# Altium PCB Sayma_AMC_RFSoC.PcbDoc (part 2 of 11)
Units mm, origin at the board's own origin, x right, y up, seen from the top; angles counter-clockwise.
Board outline 180.55 x 148.45 mm, 18 copper layers (Layer 1, Layer 2, Layer 3, Layer 4, Layer 5, Layer 6, Layer 7, Layer 8, Layer 9, Layer 10, Layer 11, Layer 12, Layer 13, Layer 14, Layer 15, Layer 16, Layer 17, Layer 18), stack 4.915 mm thick; 790 components, 796 nets, 6854 pads, 16 vias.
Unrouted connection lines stored in the file: 2880.
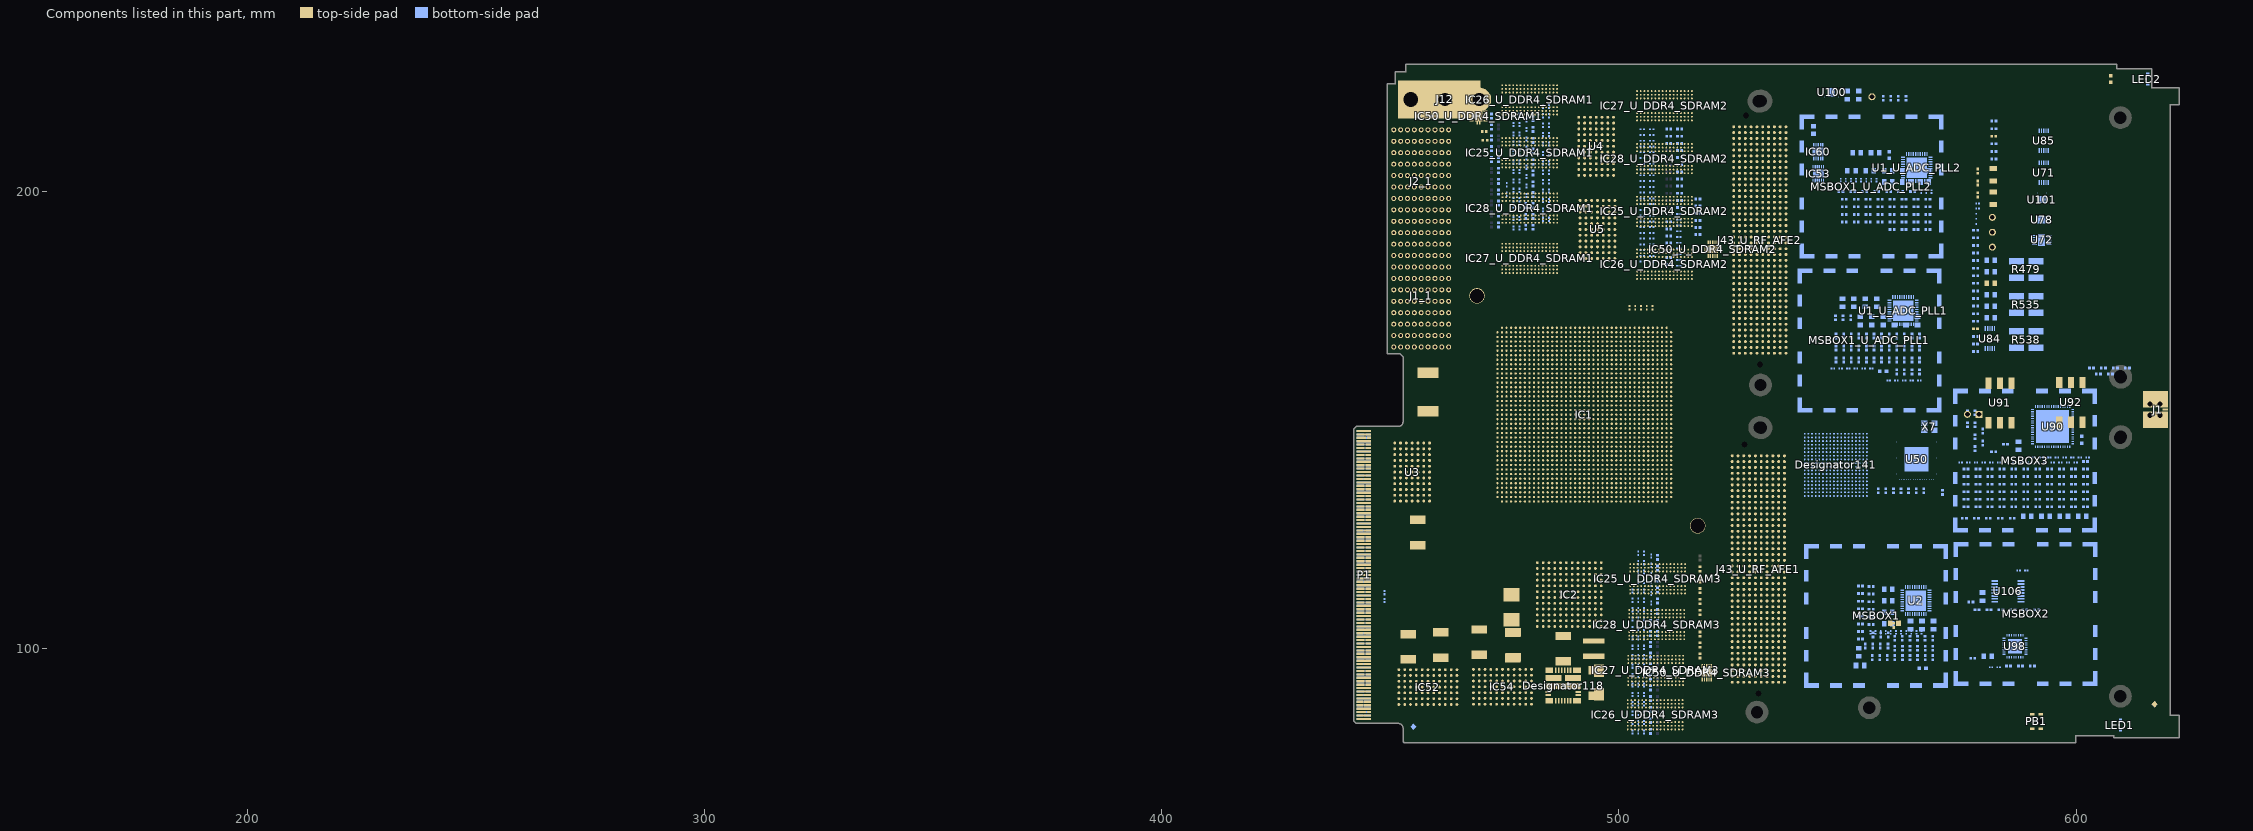
[diagram p13: the components of this part, seen from the top]

## Components (designator, comment, footprint, x,y, rotation, side; value= is the part's Value field where it differs from the comment) (continued)
C649_U_ADC_PLL1 "0.1UF" 0402 562.433,165.77 r90 bottom (schematic designator C649)
C649_U_ADC_PLL2 "0.1UF" 0402 564.246,199.973 r180 bottom (schematic designator C649)
C650_U_ADC_PLL1 "0.1UF" 0402 560.775,165.77 r90 bottom (schematic designator C650)
C650_U_ADC_PLL2 "0.1UF" 0402 561.632,199.973 r180 bottom (schematic designator C650)
C651_U_ADC_PLL1 "0.1UF" 0402 549.043,172.392 r90 bottom (schematic designator C651)
C651_U_ADC_PLL2 "0.1UF" 0402 559.018,199.973 r180 bottom (schematic designator C651)
C652_U_ADC_PLL1 "0.1UF" 0402 565.749,168.384 r90 bottom (schematic designator C652)
C652_U_ADC_PLL2 "0.1UF" 0402 556.404,199.973 r180 bottom (schematic designator C652)
C653_U_ADC_PLL1 "1UF" 0402 547.385,172.392 r90 bottom (schematic designator C653)
C653_U_ADC_PLL2 "1UF" 0402 548.563,199.973 r180 bottom (schematic designator C653)
C654_U_ADC_PLL1 "10UF" 0805 565.324,171.682 r90 bottom (schematic designator C654)
C654_U_ADC_PLL2 "10UF" 0805 558.898,204.564 r180 bottom (schematic designator C654)
C655_U_ADC_PLL1 "1UF" 0402 550.701,172.392 r90 bottom (schematic designator C655)
C655_U_ADC_PLL2 "1UF" 0402 551.177,199.973 r180 bottom (schematic designator C655)
C656_U_ADC_PLL1 "0.068UF" 0402 559.117,168.384 r90 bottom (schematic designator C656)
C656_U_ADC_PLL2 "0.068UF" 0402 553.79,199.973 r180 bottom (schematic designator C656)
C657_U_ADC_PLL1 "390PF" 0402 557.459,168.384 r90 bottom (schematic designator C657)
C657_U_ADC_PLL2 "390PF" 0402 559.757,193.322 r180 bottom (schematic designator C657)
C658_U_ADC_PLL1 "1800PF" 0402 560.775,168.384 r90 bottom (schematic designator C658)
C658_U_ADC_PLL2 "1800PF" 0402 557.143,193.322 r180 bottom (schematic designator C658)
C659_U_ADC_PLL1 "DNP" 0402 564.091,168.384 r90 bottom (schematic designator C659)
C659_U_ADC_PLL2 "DNP" 0402 554.529,193.322 r180 bottom (schematic designator C659)
C660_U_ADC_PLL1 "10UF" 0805 553.908,175.69 r90 bottom (schematic designator C660)
C660_U_ADC_PLL2 "10UF" 0805 552.031,208.475 r180 bottom (schematic designator C660)
C661_U_ADC_PLL1 "10UF" 0805 552.784,171.682 r90 bottom (schematic designator C661)
C661_U_ADC_PLL2 "10UF" 0805 562.906,202.056 r180 bottom (schematic designator C661)
C662_U_ADC_PLL1 "1UF" 0402 562.433,168.384 r90 bottom (schematic designator C662)
C662_U_ADC_PLL2 "1UF" 0402 567.598,193.322 r180 bottom (schematic designator C662)
C663_U_ADC_PLL1 "10UF" 0805 555.292,171.682 r90 bottom (schematic designator C663)
C663_U_ADC_PLL2 "10UF" 0805 554.89,204.564 r180 bottom (schematic designator C663)
C664_U_ADC_PLL1 "0.1UF" 0402 554.143,165.77 r90 bottom (schematic designator C664)
C664_U_ADC_PLL2 "0.1UF" 0402 564.985,193.322 r180 bottom (schematic designator C664)
C665_U_ADC_PLL1 "0.1UF" 0402 550.827,163.156 r90 bottom (schematic designator C665)
C665_U_ADC_PLL2 "0.1UF" 0402 562.371,193.322 r180 bottom (schematic designator C665)
C666 "100PF" 0402 555.174,105.311 r0 bottom
C667 "DNP" 0402 560.362,100.096 r90 bottom
C668 "10UF" 0805 560.276,105.546 r180 top
C669 "10UF" 0805 568.796,105.177 r90 bottom
C670 "0.1UF" 0402 563.678,100.096 r90 bottom
C671 "10UF" 0805 566.288,105.177 r90 bottom
C672 "0.1UF" 0402 562.02,100.096 r90 bottom
C673 "100PF" 0402 555.174,106.969 r0 bottom
C674 "0.1UF" 0402 555.174,113.601 r0 bottom
C675 "100PF" 0402 568.637,102.285 r90 bottom
C676 "10UF" 0805 552.453,99.254 r270 bottom
C677 "10UF" 0805 552.757,96.308 r0 bottom
C678 "0.1UF" 0402 560.123,105.096 r270 top
C679 "10UF" 0805 563.78,105.177 r90 bottom
C680 "0.1UF" 0402 555.174,111.943 r0 bottom
C681 "DNP" 0402 555.174,108.627 r0 bottom
C682 "100PF" 0402 555.174,110.285 r0 bottom
C718_U_ADC_PLL1 "100PF" 0402 549.169,163.156 r90 bottom (schematic designator C718)
C718_U_ADC_PLL2 "100PF" 0402 564.985,191.664 r180 bottom (schematic designator C718)
C719 "0.1UF" 0402 565.336,100.096 r90 bottom
C720 "0.1UF" 0402 563.683,98.038 r90 bottom
C721 "0.1UF" 0402 562.025,98.038 r90 bottom
C722 "0.1UF" 0402 565.341,98.038 r90 bottom
C723 "0.1UF" 0402 568.657,98.038 r90 bottom
C724 "1UF" 0402 566.999,98.038 r90 bottom
C725 "10UF" 0805 558.904,112.996 r0 bottom
C726 "1UF" 0402 560.367,98.038 r90 bottom
C727 "0.068UF" 0402 568.652,100.096 r90 bottom
C728 "390PF" 0402 566.994,100.096 r90 bottom
C730 "0.1UF" 0402 596.832,135.995 r0 bottom
C731 "0.1UF" 0402 588.991,139.311 r0 bottom
C732 "10UF" 0805 587.403,144.406 r90 bottom
C733 "1UF" 0402 581.149,137.653 r0 bottom
C734 "0.1UF" 0402 602.06,139.311 r0 bottom
C735 "1UF" 0402 599.446,139.311 r0 bottom
C736 "1UF" 0402 578.536,137.653 r0 bottom
C737 "0.1UF" 0402 575.922,137.653 r0 bottom
C738 "0.1UF" 0402 591.605,131.021 r0 bottom
C739 "0.1UF" 0402 588.991,131.021 r0 bottom
C740 "0.1UF" 0402 594.218,131.021 r0 bottom
C741 "0.1UF" 0402 599.446,131.021 r0 bottom
C742 "0.1UF" 0402 596.832,131.021 r0 bottom
C743 "0.1UF" 0402 578.536,131.021 r0 bottom
C744 "0.1UF" 0402 575.922,131.021 r0 bottom
C745 "0.1UF" 0402 581.149,131.021 r0 bottom
C746 "0.1UF" 0402 586.377,131.021 r0 bottom
C747 "0.1UF" 0402 583.763,131.021 r0 bottom
C748 "0.1UF" 0402 580.8,128.513 r0 bottom
C749 "0.1UF" 0402 583.414,128.513 r0 bottom
C750 "0.1UF" 0402 586.028,128.513 r0 bottom
C751 "10UF" 0805 593.334,128.938 r0 bottom
C752 "10UF" 0805 597.342,128.938 r0 bottom
C753 "1UF" 0402 578.186,128.513 r0 bottom
C754 "0.1UF" 0402 586.377,132.679 r0 bottom
C755 "100nF" CAPC0603X33N 448.751,112.259 r270 bottom
C758 "0.1UF" 0402 588.991,132.679 r0 bottom
C759 "0.1UF" 0402 581.149,132.679 r0 bottom
C761 "0.1UF" 0402 583.763,132.679 r0 bottom
C762 "0.1UF" 0402 591.605,132.679 r0 bottom
C763 "10UF" 0805 601.35,128.938 r0 bottom
C764 "0.1UF" 0402 599.446,132.679 r0 bottom
C765 "1000PF" 0402 602.06,132.679 r0 bottom
C766 "0.1UF" 0402 594.218,132.679 r0 bottom
C767 "0.1UF" 0402 596.832,132.679 r0 bottom
C768 "DNP" 0402 591.605,134.337 r0 bottom
C769 "0.1UF" 0402 594.218,134.337 r0 bottom
C770 "0.1UF" 0402 586.377,134.337 r0 bottom
C771 "0.1UF" 0402 588.991,134.337 r0 bottom
C772 "2200PF" 0402 596.832,134.337 r0 bottom
C773 "18PF" 0402 575.922,132.679 r0 bottom
C774 "10UF" 0805 589.326,128.938 r0 bottom
C775 "0.1UF" 0402 578.536,132.679 r0 bottom
C776 "DNP" 0402 599.446,134.337 r0 bottom
C777 "0.033UF" 0402 602.06,134.337 r0 bottom
C778 "680PF" 0402 602.06,131.021 r0 bottom
C779 "0.1UF" 0402 575.573,128.513 r0 bottom
C780 "0.1UF" 0402 604.884,160.069 r0 bottom
C781 "0.1UF" 0402 607.498,160.069 r0 bottom
C782 "1UF" 0402 579.572,144.968 r90 bottom
C783 "0.1UF" 0402 577.914,151.595 r90 bottom
C784 "0.1UF" 0402 579.572,147.582 r90 bottom
C808 "1800PF" 0402 555.393,98.038 r90 bottom
C809 "DNP" 0402 558.709,98.038 r90 bottom
C810 "10UF" 0805 558.904,105.472 r0 bottom
C811 "10UF" 0805 558.904,107.98 r0 bottom
C812 "1UF" 0402 557.051,98.038 r90 bottom
C813 "10UF" 0805 558.904,110.488 r0 bottom
C814 "0.1UF" 0402 566.979,102.285 r90 bottom
C815 "0.1UF" 0402 552.842,107.083 r0 bottom
C819 "DNP" CAPC0603X33N 448.751,110.559 r90 bottom
C821 "10UF" 0805 579.546,111.409 r90 bottom
C822 "1UF" 0402 588.788,108.532 r0 bottom
C823 "0.1UF" 0402 591.402,108.532 r0 bottom
C824 "1UF" 0402 590.452,96.213 r0 bottom
C827 "10UF" 0805 549.972,221.087 r270 bottom
C828 "0.047UF" 0402 557.814,220.378 r270 bottom
C829 "0.01UF" 0402 562.788,220.378 r270 bottom
C873 "22UF" 1206 581.896,203.697 r270 top
C874 "22UF" 1206 581.902,198.539 r90 top
C920 "100nF" CAPC1608X87N 542.569,213.449 r270 bottom
C948_U_ADC_PLL1 "DNP" 0402 552.485,163.156 r90 bottom (schematic designator C948)
C948_U_ADC_PLL2 "DNP" 0402 562.371,191.664 r180 bottom (schematic designator C948)
C949_U_ADC_PLL1 "DNP" 0402 555.801,163.156 r90 bottom (schematic designator C949)
C949_U_ADC_PLL2 "DNP" 0402 559.757,191.664 r180 bottom (schematic designator C949)
C952 "0.1UF" 0402 577.394,97.915 r0 bottom
C953 "10UF" 0805 580.692,98.34 r0 bottom
C954 "0.01UF" 0201 565.077,103.582 r90 bottom
C955 "0.01UF" 0201 563.959,103.582 r90 bottom
C960_U_ADC_PLL1 "0.01UF" 0201 564.063,158.664 r180 bottom (schematic designator C960)
C960_U_ADC_PLL2 "0.01UF" 0201 556.335,202.471 r90 bottom (schematic designator C960)
C961_U_ADC_PLL1 "0.01UF" 0201 565.74,158.664 r180 bottom (schematic designator C961)
C961_U_ADC_PLL2 "0.01UF" 0201 568.359,199.963 r90 bottom (schematic designator C961)
C962_U_ADC_PLL1 "0.01UF" 0201 546.814,161.278 r180 bottom (schematic designator C962)
C962_U_ADC_PLL2 "0.01UF" 0201 548.512,202.471 r90 bottom (schematic designator C962)
C963_U_ADC_PLL1 "0.01UF" 0201 559.034,158.664 r180 bottom (schematic designator C963)
C963_U_ADC_PLL2 "0.01UF" 0201 566.124,199.963 r90 bottom (schematic designator C963)
C964 "0.01UF" 0201 574.756,140.699 r0 bottom
C965 "0.01UF" 0201 602.516,141.817 r0 bottom
C966 "0.01UF" 0201 600.839,141.817 r0 bottom
C967 "0.01UF" 0201 579.785,140.699 r0 bottom
C968 "0.01UF" 0201 578.109,140.699 r0 bottom
C969 "0.01UF" 0201 576.432,140.699 r0 bottom
C970 "0.01UF" 0201 594.134,141.817 r0 bottom
C971 "0.01UF" 0201 592.457,141.817 r0 bottom
C972 "0.01UF" 0201 590.781,141.817 r0 bottom
C973 "0.01UF" 0201 599.163,141.817 r0 bottom
C974 "0.01UF" 0201 597.487,141.817 r0 bottom
C975 "0.01UF" 0201 595.81,141.817 r0 bottom
C976 "0.01UF" 0201 594.873,140.699 r0 bottom
C977 "0.01UF" 0201 593.196,140.699 r0 bottom
C978 "0.01UF" 0201 591.52,140.699 r0 bottom
C979 "0.01UF" 0201 599.902,140.699 r0 bottom
C980 "0.01UF" 0201 598.226,140.699 r0 bottom
C981 "0.01UF" 0201 596.549,140.699 r0 bottom
C982 "0.01UF" 0201 584.814,140.699 r0 bottom
C983 "0.01UF" 0201 581.39,95.943 r0 bottom
C984 "0.01UF" 0201 583.067,95.943 r0 bottom
C985 "0.01UF" 0201 587.428,117.105 r0 bottom
C986 "0.01UF" 0201 589.105,117.105 r0 bottom
C987 "0.01UF" 0201 583.138,140.699 r0 bottom
C988 "0.01UF" 0201 581.462,140.699 r0 bottom
C989 "0.01UF" 0201 578.482,197.375 r0 bottom
C990 "10UF" 0805 581.324,184.952 r0 bottom
C991 "1UF" 0402 582.034,210.421 r0 bottom
C992 "0.1UF" 0402 578.026,186.543 r0 bottom
C993 "0.01UF" 0201 578.482,196.258 r0 bottom
C1006_U_ADC_PLL1 "100PF" 0201 560.71,158.664 r180 bottom (schematic designator C1006)
C1006_U_ADC_PLL2 "100PF" 0201 567.242,199.963 r90 bottom (schematic designator C1006)
C1007_U_ADC_PLL1 "100PF" 0201 562.387,158.664 r180 bottom (schematic designator C1007)
C1007_U_ADC_PLL2 "100PF" 0201 552.982,202.471 r90 bottom (schematic designator C1007)
C1008_U_ADC_PLL1 "100PF" 0201 553.52,161.278 r180 bottom (schematic designator C1008)
C1008_U_ADC_PLL2 "100PF" 0201 554.1,202.471 r90 bottom (schematic designator C1008)
C1009_U_ADC_PLL1 "100PF" 0201 555.196,161.278 r180 bottom (schematic designator C1009)
C1009_U_ADC_PLL2 "100PF" 0201 555.218,202.471 r90 bottom (schematic designator C1009)
C1014 "100PF" 0201 558.371,103.582 r90 bottom
C1015 "100PF" 0201 561.724,103.582 r90 bottom
C1016 "100PF" 0201 560.607,103.582 r90 bottom
C1017 "100PF" 0201 559.489,103.582 r90 bottom
C1018_U_ADC_PLL1 "DNP" 0402 554.143,163.156 r90 bottom (schematic designator C1018)
C1018_U_ADC_PLL2 "DNP" 0402 551.916,193.322 r180 bottom (schematic designator C1018)
C1019_U_ADC_PLL1 "DNP" 0402 562.433,160.542 r90 bottom (schematic designator C1019)
C1019_U_ADC_PLL2 "DNP" 0402 549.302,193.322 r180 bottom (schematic designator C1019)
C1022 "DNP" 0402 552.842,108.741 r0 bottom
C1023 "DNP" 0402 552.842,103.767 r0 bottom
C1024 "DNP" 0402 552.842,105.425 r0 bottom
C1025 "DNP" 0402 552.842,113.715 r0 bottom
C1031 "DNP" 0402 588.991,137.653 r0 bottom
C1034 "DNP" 0402 591.605,137.653 r0 bottom
Designator110 "Comment" 342947 493.106,152.023 r180 top
Designator118 "Comment" "TEXAS_QFM (MOL)" 487.807,91.948 r90 top
Designator119 "Comment" IND_BOURNS_SRP6540 476.809,100.762 r90 top
Designator120 "Comment" IND_COILCRAFT_XAL5020 494.513,100.025 r90 top
Designator121 "Comment" IND_TDK_SPM6530 495.046,92.507 r90 top
Designator122 "Comment" IND_WURTH_WE-HCI_7050 495.63,92.608 r90 top
Designator123 "Comment" IND_WURTH_WE-LHMI_7030 476.479,109.068 r90 top
Designator141 "Comment" BGA324C80P18X18_1500X1500X150 547.447,140.204 r90 bottom
DS34_U_ADC_PLL1 "LED-GRN-SMT" LED_0603 557.787,160.719 r180 bottom (schematic designator DS34)
DS34_U_ADC_PLL2 "LED-GRN-SMT" LED_0603 559.16,207.977 r90 bottom (schematic designator DS34)
DS44 "LED-GRN-SMT" LED_0603 566.423,95.698 r180 bottom
DS45 "LED-GRN-SMT" LED_0603 601.22,145.714 r90 bottom
F1 "1.5A-15V" FUSR_TYCO_SMD150F-2 458.271,156.134 r90 top
FP2 "RTM_FRONTPANEL" RTM_FRONTPANEL 623.369,116.13 r0 top (schematic designator FP1)
FTG3 "Use only in PCB" FIDUCIAL_TOP_S100-200 455.071,82.929 r90 bottom
FTG5 "Use only in PCB" FIDUCIAL_TOP_S100-200 617.171,87.829 r90 top
FTG7 "Use only in PCB" FIDUCIAL_TOP_S100-200 617.171,87.829 r90 bottom
IC1 "XCZU27DR-1FSVG1517E" "XILINX_FSVG1517 (XCZU27DR)" 492.436,151.194 r180 top
IC2 "LTM4677IY#PBF" BGA144C127P12X12_1600X1600X521 489.153,111.836 r0 top
IC25_U_DDR4_SDRAM1 "MT40A512M16HA-083E:A" BGA96C80P9X16_900X1400X120 480.493,208.473 r90 top (schematic designator IC25)
IC25_U_DDR4_SDRAM2 "MT40A512M16HA-083E:A" BGA96C80P9X16_900X1400X120 509.98,195.641 r90 top (schematic designator IC25)
IC25_U_DDR4_SDRAM3 "MT40A512M16HA-083E:A" BGA96C80P9X16_900X1400X120 508.488,115.291 r270 top (schematic designator IC25)
IC26_U_DDR4_SDRAM1 "MT40A512M16HA-083E:A" BGA96C80P9X16_900X1400X120 480.493,220.031 r90 top (schematic designator IC26)
IC26_U_DDR4_SDRAM2 "MT40A512M16HA-083E:A" BGA96C80P9X16_900X1400X120 509.98,184.083 r90 top (schematic designator IC26)
IC26_U_DDR4_SDRAM3 "MT40A512M16HA-083E:A" BGA96C80P9X16_900X1400X120 507.935,85.547 r270 top (schematic designator IC26)
IC27_U_DDR4_SDRAM1 "MT40A512M16HA-083E:A" BGA96C80P9X16_900X1400X120 480.493,185.357 r90 top (schematic designator IC27)
IC27_U_DDR4_SDRAM2 "MT40A512M16HA-083E:A" BGA96C80P9X16_900X1400X120 509.98,218.757 r90 top (schematic designator IC27)
IC27_U_DDR4_SDRAM3 "MT40A512M16HA-083E:A" BGA96C80P9X16_900X1400X120 508.056,95.255 r270 top (schematic designator IC27)
IC28_U_DDR4_SDRAM1 "MT40A512M16HA-083E:A" BGA96C80P9X16_900X1400X120 480.539,196.342 r90 top (schematic designator IC28)
IC28_U_DDR4_SDRAM2 "MT40A512M16HA-083E:A" BGA96C80P9X16_900X1400X120 509.98,207.199 r90 top (schematic designator IC28)
IC28_U_DDR4_SDRAM3 "MT40A512M16HA-083E:A" BGA96C80P9X16_900X1400X120 508.285,105.255 r270 top (schematic designator IC28)
IC50_U_DDR4_SDRAM1 "TPS51200DRCT" "TEXAS_DRC (S-PVSON-N10)" 469.31,216.508 r180 top (schematic designator IC50)
IC50_U_DDR4_SDRAM2 "TPS51200DRCT" "TEXAS_DRC (S-PVSON-N10)" 520.514,187.383 r90 top (schematic designator IC50)
IC50_U_DDR4_SDRAM3 "TPS51200DRCT" "TEXAS_DRC (S-PVSON-N10)" 519.225,94.752 r90 top (schematic designator IC50)
IC52 "Comment" BGA77C127P7X11_900X1500X512 458.241,91.609 r270 top
IC53 "SN74CB3T3257PW" SON45P300X300X80-7N-R170X240 543.619,203.903 r90 bottom
IC54 "Comment" BGA77C127P7X11_900X1500X512 474.548,91.664 r270 top
IC60 "TXB0304RUTR" SON50P300X300X80-11N-R175X248 543.619,208.716 r270 bottom
J1 "SMA" CINCH_142-0761-881 619.508,152.28 r180 top
J1_1 "Advanced TCA" TYCO_6469081-1 456.771,177.229 r180 top (schematic designator J1)
J2_1 "Advanced TCA" TYCO_6469081-1 456.771,202.229 r180 top (schematic designator J2)
J11 "DNP" TP_KEY_MINI 581.702,187.832 r90 bottom
J12 "Family" TYCO_5120913-1 461.971,220.129 r180 top
J43_U_RF_AFE1 "VITA 57" SAMTEC_ASP-134488-01 530.504,117.424 r270 top (schematic designator J43)
J43_U_RF_AFE2 "VITA 57" SAMTEC_ASP-134488-01 530.835,189.382 r270 top (schematic designator J43)
J63 "DNP" TP_KEY_MINI 555.359,220.709 r0 bottom
J82 "DNP" TP_KEY_MINI 581.702,191.083 r90 bottom
J88 "DNP" TP_KEY_MINI 581.702,194.334 r90 bottom
J110 "HDR_1X2" HDR_1X2 578.775,151.264 r180 bottom
L43_U_ADC_PLL1 "15NH" 0402 560.775,160.542 r90 bottom (schematic designator L43)
L43_U_ADC_PLL2 "15NH" 0402 567.598,191.664 r180 bottom (schematic designator L43)
L44_U_ADC_PLL1 "15NH" 0402 564.091,160.542 r90 bottom (schematic designator L44)
L44_U_ADC_PLL2 "15NH" 0402 549.302,194.98 r180 bottom (schematic designator L44)
L52 "15NH" 0402 583.763,137.653 r0 bottom
L53 "15NH" 0402 586.377,137.653 r0 bottom
L54 "15NH" 0402 596.832,139.311 r0 bottom
L55 "15NH" 0402 578.536,139.311 r0 bottom
L56 "15NH" 0402 581.149,139.311 r0 bottom
L57 "15NH" 0402 602.06,140.969 r0 bottom
L58 "15NH" 0402 575.922,139.311 r0 bottom
L59 "15NH" 0402 583.763,139.311 r0 bottom
L60 "15NH" 0402 591.605,139.311 r0 bottom
L60_1 "0.0000015" IND_TDK_SPM6530 476.86,100.863 r270 top
L61 "15NH" 0402 594.218,139.311 r0 bottom
L62 "15NH" 0402 586.377,139.311 r0 bottom
L65 "15NH" 0402 552.842,112.057 r0 bottom
L68 "15NH" 0402 552.842,110.399 r0 bottom
L70 "15NH" 0402 576.998,110.234 r0 bottom
L73 "15NH" 0402 585.225,96.213 r0 bottom
L74 "15NH" 0402 582.008,212.079 r180 top
L96 "0.0000015" IND_TDK_SPM6530 469.494,101.429 r90 top
L97 "0.0000015" IND_TDK_SPM6530 453.974,100.432 r270 top
L98 "0.0000015" IND_TDK_SPM6530 487.883,100 r90 top
L99 "0.0000015" IND_TDK_SPM6530 456.032,125.4 r270 top
L100 "0.0000015" IND_TDK_SPM6530 461.01,100.813 r270 top
LED1 "Blue" LED_AVAGO_HSME-C120rev 609.741,83.299 r270 bottom
LED2 "Green" LED_AVAGO_HSME-C120rev 615.671,224.589 r270 bottom
LED17 "LED0603-P-RW120 or LYN971-Z" LED_0603R 607.571,223.882 r90 top
MSBOX1 "Metal Screening Box 4x5 Pins" MSBOX_WURTH_36103305 556.245,107.201 r180 bottom
MSBOX1_U_ADC_PLL1 "Metal Screening Box 4x5 Pins" MSBOX_WURTH_36103305 554.797,167.428 r180 bottom (schematic designator MSBOX1)
MSBOX1_U_ADC_PLL2 "Metal Screening Box 4x5 Pins" MSBOX_WURTH_36103305 555.254,201.079 r180 bottom (schematic designator MSBOX1)
MSBOX2 "Metal Screening Box 4x5 Pins" MSBOX_WURTH_36103305 588.965,107.591 r90 bottom
MSBOX3 "Metal Screening Box 4x5 Pins" MSBOX_WURTH_36103305 588.809,141.114 r180 bottom
P1 "AMC-CN-2S-M-R274" AMC-GF-2D-750-O274 444.221,116.129 r90 bottom
PB1 "Push Button" SW_C&K_HDT0001 591.321,84.079 r180 top
R8_U_ADC_PLL1 "0" 0402 547.511,163.156 r90 bottom (schematic designator R8)
R8_U_ADC_PLL2 "0" 0402 551.916,196.638 r180 bottom (schematic designator R8)
R53 "12.0K" 0201 589.844,140.699 r0 bottom
R54 "0" 0201 588.167,140.699 r0 bottom
R55 "0" 0201 586.491,140.699 r0 bottom
R73_U_ADC_PLL1 "12.0K" 0201 548.49,161.278 r180 bottom (schematic designator R73)
R73_U_ADC_PLL2 "12.0K" 0201 549.63,202.471 r90 bottom (schematic designator R73)
R79_U_ADC_PLL1 "12.0K" 0201 550.167,161.278 r180 bottom (schematic designator R79)
R79_U_ADC_PLL2 "12.0K" 0201 550.747,202.471 r90 bottom (schematic designator R79)
R97_U_ADC_PLL1 "49.9" 0402 565.749,160.542 r90 bottom (schematic designator R97)
R97_U_ADC_PLL2 "49.9" 0402 549.302,196.638 r180 bottom (schematic designator R97)
R194_U_ADC_PLL1 "12.0K" 0201 551.843,161.278 r180 bottom (schematic designator R194)
R194_U_ADC_PLL2 "12.0K" 0201 551.865,202.471 r90 bottom (schematic designator R194)
R222_U_DDR4_SDRAM1 "39" RESC1005X40N 473.7,204.595 r90 bottom (schematic designator R222)
R222_U_DDR4_SDRAM2 "39" RESC1005X40N 510.909,212.081 r180 bottom (schematic designator R222)
R222_U_DDR4_SDRAM3 "39" RESC1005X40N 517.748,115.066 r90 top (schematic designator R222)
R223_U_DDR4_SDRAM1 "39" RESC1005X40N 473.7,206.973 r90 bottom (schematic designator R223)
R223_U_DDR4_SDRAM2 "39" RESC1005X40N 510.909,210.523 r180 bottom (schematic designator R223)
R223_U_DDR4_SDRAM3 "39" RESC1005X40N 517.748,117.444 r90 top (schematic designator R223)
R224_U_DDR4_SDRAM1 "39" RESC1005X40N 473.7,199.839 r90 bottom (schematic designator R224)
R224_U_DDR4_SDRAM2 "39" RESC1005X40N 517.286,190.571 r180 bottom (schematic designator R224)
R224_U_DDR4_SDRAM3 "39" RESC1005X40N 517.748,110.31 r90 top (schematic designator R224)
R225_U_DDR4_SDRAM1 "39" RESC1005X40N 473.7,202.217 r90 bottom (schematic designator R225)
R225_U_DDR4_SDRAM2 "39" RESC1005X40N 510.909,213.639 r180 bottom (schematic designator R225)
R225_U_DDR4_SDRAM3 "39" RESC1005X40N 517.748,112.688 r90 top (schematic designator R225)
R226_U_DDR4_SDRAM1 "39" RESC1005X40N 481.201,211.196 r90 bottom (schematic designator R226)
R226_U_DDR4_SDRAM2 "39" RESC1005X40N 513.287,204.291 r180 bottom (schematic designator R226)
R226_U_DDR4_SDRAM3 "39" RESC1005X40N 506.926,93.826 r90 bottom (schematic designator R226)
R227_U_DDR4_SDRAM1 "39" RESC1005X40N 481.201,213.574 r90 bottom (schematic designator R227)
R227_U_DDR4_SDRAM2 "39" RESC1005X40N 513.287,202.733 r180 bottom (schematic designator R227)
R227_U_DDR4_SDRAM3 "39" RESC1005X40N 506.926,96.204 r90 bottom (schematic designator R227)
R228_U_DDR4_SDRAM1 "39" RESC1005X40N 481.201,208.818 r90 bottom (schematic designator R228)
R228_U_DDR4_SDRAM2 "39" RESC1005X40N 513.287,205.849 r180 bottom (schematic designator R228)
R228_U_DDR4_SDRAM3 "39" RESC1005X40N 506.926,91.448 r90 bottom (schematic designator R228)
R229_U_DDR4_SDRAM1 "39" RESC1005X40N 481.201,204.062 r90 bottom (schematic designator R229)
R229_U_DDR4_SDRAM2 "39" RESC1005X40N 513.287,208.965 r180 bottom (schematic designator R229)
R229_U_DDR4_SDRAM3 "39" RESC1005X40N 506.926,86.692 r90 bottom (schematic designator R229)
R230_U_DDR4_SDRAM1 "39" RESC1005X40N 481.201,206.44 r90 bottom (schematic designator R230)
R230_U_DDR4_SDRAM2 "39" RESC1005X40N 513.287,207.407 r180 bottom (schematic designator R230)
R230_U_DDR4_SDRAM3 "39" RESC1005X40N 506.926,89.07 r90 bottom (schematic designator R230)
R231_U_DDR4_SDRAM1 "39" RESC1005X40N 479.643,194.55 r90 bottom (schematic designator R231)
R231_U_DDR4_SDRAM2 "39" RESC1005X40N 513.287,198.059 r180 bottom (schematic designator R231)
R231_U_DDR4_SDRAM3 "39" RESC1005X40N 506.926,103.338 r90 bottom (schematic designator R231)
R232_U_DDR4_SDRAM1 "39" RESC1005X40N 479.643,196.928 r90 bottom (schematic designator R232)
R232_U_DDR4_SDRAM2 "39" RESC1005X40N 513.287,196.501 r180 bottom (schematic designator R232)
R232_U_DDR4_SDRAM3 "39" RESC1005X40N 506.926,105.716 r90 bottom (schematic designator R232)
R233_U_DDR4_SDRAM1 "39" RESC1005X40N 481.201,215.952 r90 bottom (schematic designator R233)
R233_U_DDR4_SDRAM2 "39" RESC1005X40N 513.287,201.175 r180 bottom (schematic designator R233)
R233_U_DDR4_SDRAM3 "39" RESC1005X40N 506.926,98.582 r90 bottom (schematic designator R233)
R234_U_DDR4_SDRAM1 "39" RESC1005X40N 479.643,192.172 r90 bottom (schematic designator R234)
R234_U_DDR4_SDRAM2 "39" RESC1005X40N 513.287,199.617 r180 bottom (schematic designator R234)
R234_U_DDR4_SDRAM3 "39" RESC1005X40N 506.926,100.96 r90 bottom (schematic designator R234)
R235_U_DDR4_SDRAM1 "39" RESC1005X40N 481.201,201.684 r90 bottom (schematic designator R235)
R235_U_DDR4_SDRAM2 "39" RESC1005X40N 513.287,210.523 r180 bottom (schematic designator R235)
R235_U_DDR4_SDRAM3 "39" RESC1005X40N 506.926,84.314 r90 bottom (schematic designator R235)
R236_U_DDR4_SDRAM1 "39" RESC1005X40N 472.142,211.729 r90 bottom (schematic designator R236)
R236_U_DDR4_SDRAM2 "39" RESC1005X40N 510.909,190.269 r180 bottom (schematic designator R236)
R236_U_DDR4_SDRAM3 "39" RESC1005X40N 508.484,108.094 r90 bottom (schematic designator R236)
R237_U_DDR4_SDRAM1 "39" RESC1005X40N 472.142,214.107 r90 bottom (schematic designator R237)
R237_U_DDR4_SDRAM2 "39" RESC1005X40N 510.909,188.711 r180 bottom (schematic designator R237)
R237_U_DDR4_SDRAM3 "39" RESC1005X40N 508.484,110.472 r90 bottom (schematic designator R237)
R238_U_DDR4_SDRAM1 "39" RESC1005X40N 472.142,206.973 r90 bottom (schematic designator R238)
R238_U_DDR4_SDRAM2 "39" RESC1005X40N 510.909,193.385 r180 bottom (schematic designator R238)
R238_U_DDR4_SDRAM3 "39" RESC1005X40N 508.484,103.338 r90 bottom (schematic designator R238)
R239_U_DDR4_SDRAM1 "39" RESC1005X40N 472.142,209.351 r90 bottom (schematic designator R239)
R239_U_DDR4_SDRAM2 "39" RESC1005X40N 510.909,191.827 r180 bottom (schematic designator R239)
R239_U_DDR4_SDRAM3 "39" RESC1005X40N 508.484,105.716 r90 bottom (schematic designator R239)
R240_U_DDR4_SDRAM1 "39" RESC1005X40N 472.142,216.485 r90 bottom (schematic designator R240)
R240_U_DDR4_SDRAM2 "39" RESC1005X40N 510.909,187.153 r180 bottom (schematic designator R240)
R240_U_DDR4_SDRAM3 "39" RESC1005X40N 508.484,112.85 r90 bottom (schematic designator R240)
R241_U_DDR4_SDRAM1 "39" RESC1005X40N 481.201,196.928 r90 bottom (schematic designator R241)
R241_U_DDR4_SDRAM2 "39" RESC1005X40N 513.287,213.639 r180 bottom (schematic designator R241)
R241_U_DDR4_SDRAM3 "39" RESC1005X40N 508.484,119.984 r90 bottom (schematic designator R241)
R242_U_DDR4_SDRAM1 "39" RESC1005X40N 481.201,199.306 r90 bottom (schematic designator R242)
R242_U_DDR4_SDRAM2 "39" RESC1005X40N 513.287,212.081 r180 bottom (schematic designator R242)
R242_U_DDR4_SDRAM3 "39" RESC1005X40N 506.926,81.936 r90 bottom (schematic designator R242)
R243_U_DDR4_SDRAM1 "39" RESC1005X40N 481.201,192.172 r90 bottom (schematic designator R243)
R243_U_DDR4_SDRAM2 "39" RESC1005X40N 510.909,185.595 r180 bottom (schematic designator R243)
R243_U_DDR4_SDRAM3 "39" RESC1005X40N 508.484,115.228 r90 bottom (schematic designator R243)
R244_U_DDR4_SDRAM1 "39" RESC1005X40N 481.201,194.55 r90 bottom (schematic designator R244)
R244_U_DDR4_SDRAM2 "39" RESC1005X40N 510.909,184.037 r180 bottom (schematic designator R244)
R244_U_DDR4_SDRAM3 "39" RESC1005X40N 508.484,117.606 r90 bottom (schematic designator R244)
R245_U_DDR4_SDRAM1 "39" RESC1005X40N 473.7,197.461 r90 bottom (schematic designator R245)
R245_U_DDR4_SDRAM2 "39" RESC1005X40N 517.286,192.129 r180 bottom (schematic designator R245)
R245_U_DDR4_SDRAM3 "39" RESC1005X40N 517.748,107.932 r90 top (schematic designator R245)
R246_U_DDR4_SDRAM1 "39" RESC1005X40N 470.713,211.201 r180 top (schematic designator R246)
R246_U_DDR4_SDRAM2 "39" RESC1005X40N 517.286,196.803 r180 bottom (schematic designator R246)
R246_U_DDR4_SDRAM3 "39" RESC1005X40N 517.748,100.798 r90 top (schematic designator R246)
R300_U_DDR4_SDRAM1 "10k" RESC1005X40N 470.56,213.106 r180 top (schematic designator R300)
R300_U_DDR4_SDRAM2 "10k" RESC1005X40N 517.286,198.361 r180 bottom (schematic designator R300)
R300_U_DDR4_SDRAM3 "10k" RESC1005X40N 517.748,98.42 r90 top (schematic designator R300)
R301_U_DDR4_SDRAM1 "10k" RESC1005X40N 473.7,195.083 r90 bottom (schematic designator R301)
R301_U_DDR4_SDRAM2 "10k" RESC1005X40N 517.286,193.687 r180 bottom (schematic designator R301)
R301_U_DDR4_SDRAM3 "10k" RESC1005X40N 517.748,105.554 r90 top (schematic designator R301)
R358 "12.0K" 0201 555.019,103.582 r90 bottom
R359 "12.0K" 0201 557.254,103.582 r90 bottom
R360 "12.0K" 0201 562.842,103.582 r90 bottom
R366 "100" 0402 580.947,108.532 r0 bottom
R376 "4.70K" 0402 556.743,134.551 r90 bottom
R377 "DNP" 0402 570.759,134.184 r90 bottom
R378 "4.70K" 0402 560.059,134.551 r90 bottom
R379 "40.2" 0402 558.401,134.551 r90 bottom
R409 "475" 0402 578.026,184.885 r0 bottom
R410 "1.00K" 0402 578.026,183.227 r0 bottom
R472 "11.3K" 0402 578.026,191.517 r0 bottom
R473 "13.3K" 0402 578.026,189.859 r0 bottom
R474 "11.3K" 0402 578.026,188.201 r0 bottom
R475 "13.3K" 0402 578.026,181.569 r0 bottom
R477 "10" 0402 578.026,174.937 r0 bottom
R478 "10" 0402 578.026,173.279 r0 bottom
R479 "0.005" 1224_SMT 589.096,182.946 r90 bottom
R533 "10" 0402 578.026,171.621 r0 bottom
R534 "10" 0402 578.026,179.911 r0 bottom
R535 "0.005" 1224_SMT 589.096,175.268 r90 bottom
R536 "10" 0402 578.026,178.253 r0 bottom
R537 "10" 0402 578.026,176.595 r0 bottom
R538 "0.005" 1224_SMT 589.096,167.589 r90 bottom
R545 "330" 0402 552.842,102.109 r0 bottom
R552_U_ADC_PLL1 "100" 0402 547.511,165.77 r90 bottom (schematic designator R552)
R552_U_ADC_PLL2 "100" 0402 567.598,194.98 r180 bottom (schematic designator R552)
R554 "100" 0402 560.347,102.285 r90 bottom
R559_U_DDR4_SDRAM1 "10k" RESC1005X40N 473.7,192.705 r90 bottom (schematic designator R559)
R559_U_DDR4_SDRAM2 "10k" RESC1005X40N 517.286,195.245 r180 bottom (schematic designator R559)
R559_U_DDR4_SDRAM3 "10k" RESC1005X40N 517.748,103.176 r90 top (schematic designator R559)
R560_U_ADC_PLL1 "18" 0402 565.749,163.156 r90 bottom (schematic designator R560)
R560_U_ADC_PLL2 "18" 0402 559.757,196.638 r180 bottom (schematic designator R560)
R562_U_ADC_PLL1 "68.1" 0402 549.169,165.77 r90 bottom (schematic designator R562)
R562_U_ADC_PLL2 "68.1" 0402 557.143,196.638 r180 bottom (schematic designator R562)
R563_U_ADC_PLL1 "10.0K" 0402 552.485,165.77 r90 bottom (schematic designator R563)
R563_U_ADC_PLL2 "10.0K" 0402 554.529,196.638 r180 bottom (schematic designator R563)
R564_U_ADC_PLL1 "DNP" 0402 550.827,165.77 r90 bottom (schematic designator R564)
R564_U_ADC_PLL2 "DNP" 0402 557.143,194.98 r180 bottom (schematic designator R564)
R565_U_ADC_PLL1 "330" 0402 559.117,163.156 r90 bottom (schematic designator R565)
R565_U_ADC_PLL2 "330" 0402 554.529,194.98 r180 bottom (schematic designator R565)
R581 "0" 0402 558.841,100.583 r90 bottom
R582 "18" 0402 562.005,102.285 r90 bottom
R583 "68.1" 0402 565.321,102.285 r90 bottom
R584 "10.0K" 0402 563.663,102.285 r90 bottom
R585 "DNP" 0402 557.183,100.583 r90 bottom
R621 "43.0" 0402 583.561,108.532 r0 bottom
R622 "43.0" 0402 586.175,108.532 r0 bottom
R623 "240" 0402 599.446,135.995 r0 bottom
R624 "240" 0402 591.605,135.995 r0 bottom
R627 "240" 0402 594.218,135.995 r0 bottom
R628 "240" 0402 602.06,135.995 r0 bottom
R631 "240" 0402 581.149,134.337 r0 bottom
R632 "240" 0402 583.763,134.337 r0 bottom
R635 "0" 0402 575.922,134.337 r0 bottom
R636 "43.0" 0402 578.333,108.532 r0 bottom
R637 "100" 0402 587.838,96.213 r0 bottom
R640 "DNP" 0402 578.536,134.337 r0 bottom
R641 "DNP" 0402 584.574,144.728 r0 bottom
R642 "DNP" 0402 588.991,135.995 r0 bottom
R643 "DNP" 0402 599.446,137.653 r0 bottom
R644 "95.3" 0402 602.06,137.653 r0 bottom
R645 "82.5" 0402 594.218,137.653 r0 bottom
R646 "82.5" 0402 596.832,137.653 r0 bottom
R647 "49.9" 0402 575.922,135.995 r0 bottom
R648 "0" 0402 583.763,135.995 r0 bottom
R649 "0" 0402 586.377,135.995 r0 bottom
R650 "1.00K" 0402 578.536,135.995 r0 bottom
R651 "220K" 0402 581.149,135.995 r0 bottom
R652 "330" 0402 581.96,143.071 r0 bottom
R653 "17.8" 0402 610.112,160.069 r0 bottom
R654 "49.9" 0402 611.211,161.389 r0 bottom
R655 "270" 0402 603.37,161.389 r0 bottom
R656 "270" 0402 605.983,161.389 r0 bottom
R657 "DNP" 0402 608.597,161.389 r0 bottom
R658 "10" 0402 577.914,148.982 r90 bottom
R659 "0" 0402 576.256,151.595 r90 bottom
R660 "DNP" 0402 576.256,148.982 r90 bottom
R661 "DNP" 0402 577.914,146.368 r90 bottom
R662 "49.9" 0402 577.914,143.754 r90 bottom
R667 "2.61K" 0402 561.13,220.378 r270 bottom
R669 "464" 0402 559.472,220.378 r270 bottom
R677_U_ADC_PLL1 "0" 0402 557.459,163.156 r90 bottom (schematic designator R677)
R677_U_ADC_PLL2 "0" 0402 551.916,194.98 r180 bottom (schematic designator R677)
R678 "0" 0402 557.257,103.022 r90 bottom
R706_U_ADC_PLL1 "49.9" 0402 560.775,163.156 r90 bottom (schematic designator R706)
R706_U_ADC_PLL2 "49.9" 0402 564.985,194.98 r180 bottom (schematic designator R706)
R707_U_ADC_PLL1 "49.9" 0402 564.091,163.156 r90 bottom (schematic designator R707)
R707_U_ADC_PLL2 "49.9" 0402 562.371,194.98 r180 bottom (schematic designator R707)
R708_U_ADC_PLL1 "49.9" 0402 562.433,163.156 r90 bottom (schematic designator R708)
R708_U_ADC_PLL2 "49.9" 0402 559.757,194.98 r180 bottom (schematic designator R708)
R713 "49.9" 0402 555.599,103.022 r90 bottom
R714 "49.9" 0402 558.915,103.022 r90 bottom
R715 "49.9" 0402 555.525,100.583 r90 bottom
R716 "49.9" 0402 553.867,100.583 r90 bottom
U1_U_ADC_PLL1 "LMX2594RHAT" VQFN_40_RHA_EP4_5MM 562.174,173.938 r180 bottom (schematic designator U1)
U1_U_ADC_PLL2 "LMX2594RHAT" VQFN_40_RHA_EP4_5MM 565.162,205.226 r90 bottom (schematic designator U1)
U2 "LMX2594RHAT" VQFN_40_RHA_EP4_5MM 564.95,110.526 r270 bottom
U3 "LTM4644IY#PBF" LT-BGA-77-05-08-1900_V 454.787,138.633 r0 top
U4 "LTM4644IY#PBF" LT-BGA-77-05-08-1900_V 495.046,209.88 r0 top
U5 "LTM4644IY#PBF" LT-BGA-77-05-08-1900_V 495.325,191.694 r0 top
U50 "SI5341B" OSC_SI341B_64P 565.118,141.453 r180 bottom
U71 "INA226" DGS_MSOP_10 592.926,204.127 r90 bottom
U72 "IFX1763" PG_TSON_10 592.477,189.404 r90 bottom
U78 "ISL80112" DFN_10P_3X3_ISL80 592.501,193.82 r90 bottom
U84 "INA226" DGS_MSOP_10 581.169,167.843 r90 bottom
U85 "INA226" DGS_MSOP_10 592.926,211.124 r90 bottom
U90 "LMK04208" WQFN_64_EP 594.865,148.577 r90 bottom
U91 "VX-501-0251-122M88" OSC_VECTRON_TX500 583.336,153.74 r90 top
U92 "TCXO 12.8MHZ 3.3V HCMOS" OSC_VECTRON_TX500 598.856,153.873 r90 top
U98 "LMK00304SQ" WQFN_32 586.641,100.532 r180 bottom
U100 "ISL80103" DFN_10P_3X3_ISL80 546.51,221.667 r0 bottom
U101 "ISL80112" DFN_10P_3X3_ISL80 592.501,198.236 r90 bottom
U106 "LMK00804BPW" TSSOP_16 585.085,112.54 r180 bottom
X7 "48.00MHZ" XTAL_FA238A 567.926,148.552 r180 bottom
Z41 "0201_SHORT" 0201_SHORT 578.482,195.14 r0 bottom
Z42 "0201_SHORT" 0201_SHORT 578.482,192.905 r0 bottom
Z43 "0201_SHORT" 0201_SHORT 578.482,194.023 r0 bottom

## Footprints (in the part's own frame and the unit in brackets; to place one, negate y for a bottom-side part, rotate by r counter-clockwise, add the part's x,y. Pads: shape width x height; smd on the part's side, far side on the other; paste and mask are expansions set on the pad)
0201 [mm] "0201"
  rect 0.38x0.38 smd: 1(-0.292,0) 2(0.292,0)
  body extent -0.58,-0.3 0.58,0.3, height 3.81
0201_SHORT [mil] "0201_SHORT"
  rect 14.96x14.96 smd: 1(-11.5,0)
  oct 1x1 smd: 2(11.5,0)
  body extent -23,-12 23,12, height 150
0402 [mm]
  rect 0.6x0.6 smd: 1(-0.45,0) 2(0.45,0)
  silkscreen extent -0.99,-0.5 0.97,0.5, body extent -0.52,-0.27 0.53,0.28, height 0.4
0805 [mm]
  rect 1x1.25 smd: 1(-0.889,0) 2(0.889,0)
  silkscreen extent -1.57,-0.81 1.57,0.81, body extent -1.1,-0.67 1.1,0.68, height 0.5
1206 [mm]
  rect 1.1x1.65 smd: 1(-1.372,0) 2(1.372,0)
  silkscreen extent -2.11,-1.02 2.11,1.02, body extent -1.67,-0.87 1.68,0.88, height 0.65
1224_SMT [mm] "1224_SMT"
  rect 1.4x3.3 smd: I1(-1.8,-2.15) I2(1.8,-2.15) V1(-1.8,2.15) V2(1.8,2.15)
  silkscreen extent -2.82,-4.12 2.82,4.12, body extent -3.18,-4.44 3.18,4.44, height 3.81
342947 [mm] "AAVID 342947"
  round 3.4 hole 3.1: 1(-24.14,25.15) 2(24.13,-25.15)
  silkscreen extent -28.95,-29.5 28.95,29.5, body extent -28.95,-29.5 28.95,29.5, height 14.5
AMC-GF-2D-750-O274 [mm] "Golden finger, AMC, Dual, Opposite, Pitch 0.75mm, 170-Position"
  rect 0.48x3.1 smd far side paste-3.4: 1(-31.5,0) 2(-30.75,0) 4(-29.25,0) 7(-27,0) 9(-25.5,0) 10(-24.75,0) 13(-22.5,0) 16(-20.25,0) 18(-18.75,0) 19(-18,0) 22(-15.75,0) 25(-13.5,0) 27(-12,0) 28(-11.25,0) 31(-9,0) 34(-6.75,0) 37(-4.5,0) 40(-2.25,0) 42(-0.75,0) 43(0,0) 46(2.25,0) 49(4.5,0) 52(6.75,0) 55(9,0) 57(10.5,0) 58(11.25,0) 61(13.5,0) 64(15.75,0) 67(18,0) 70(20.25,0) 72(21.75,0) 73(22.5,0) 76(24.75,0) 79(27,0) 82(29.25,0) 84(30.75,0) 85(31.5,0)
  rect 0.48x0.9 smd far side paste-3.4: 3(-30,1.1) 83(30,1.1)
  rect 0.48x1.575 smd far side paste-3.4: 5(-28.5,0.763) 6(-27.75,0.763) 8(-26.25,0.763) 17(-19.5,0.763) 26(-12.75,0.763) 41(-1.5,0.763) 56(9.75,0.763) 71(21,0.763)
  rect 0.48x1.2 smd far side paste-3.4: 11(-24,0.95) 12(-23.25,0.95) 14(-21.75,0.95) 15(-21,0.95) 20(-17.25,0.95) 21(-16.5,0.95) 23(-15,0.95) 24(-14.25,0.95) 29(-10.5,0.95) 30(-9.75,0.95) 32(-8.25,0.95) 33(-7.5,0.95) 35(-6,0.95) 36(-5.25,0.95) 38(-3.75,0.95) 39(-3,0.95) 44(0.75,0.95) 45(1.5,0.95) 47(3,0.95) 48(3.75,0.95) 50(5.25,0.95) 51(6,0.95) 53(7.5,0.95) 54(8.25,0.95) 59(12,0.95) 60(12.75,0.95) 62(14.25,0.95) 63(15,0.95) 65(16.5,0.95) 66(17.25,0.95) 68(18.75,0.95) 69(19.5,0.95) 74(23.25,0.95) 75(24,0.95) 77(25.5,0.95) 78(26.25,0.95) 80(27.75,0.95) 81(28.5,0.95)
  rect 0.48x3.1 smd paste-3.4: 86(31.5,0) 89(29.25,0) 92(27,0) 95(24.75,0) 98(22.5,0) 101(20.25,0) 104(18,0) 107(15.75,0) 110(13.5,0) 113(11.25,0) 116(9,0) 119(6.75,0) 122(4.5,0) 125(2.25,0) 128(0,0) 131(-2.25,0) 134(-4.5,0) 137(-6.75,0) 140(-9,0) 143(-11.25,0) 146(-13.5,0) 149(-15.75,0) 152(-18,0) 155(-20.25,0) 158(-22.5,0) 161(-24.75,0) 164(-27,0) 170(-31.5,0)
  rect 0.48x1.2 smd paste-3.4: 87(30.75,0.95) 88(30,0.95) 90(28.5,0.95) 91(27.75,0.95) 93(26.25,0.95) 94(25.5,0.95) 96(24,0.95) 97(23.25,0.95) 99(21.75,0.95) 100(21,0.95) 102(19.5,0.95) 103(18.75,0.95) 105(17.25,0.95) 106(16.5,0.95) 108(15,0.95) 109(14.25,0.95) 111(12.75,0.95) 112(12,0.95) 114(10.5,0.95) 115(9.75,0.95) 117(8.25,0.95) 118(7.5,0.95) 120(6,0.95) 121(5.25,0.95) 123(3.75,0.95) 124(3,0.95) 126(1.5,0.95) 127(0.75,0.95) 129(-0.75,0.95) 130(-1.5,0.95) 132(-3,0.95) 133(-3.75,0.95) 135(-5.25,0.95) 136(-6,0.95) 138(-7.5,0.95) 139(-8.25,0.95) 141(-9.75,0.95) 142(-10.5,0.95) 144(-12,0.95) 145(-12.75,0.95) 147(-14.25,0.95) 148(-15,0.95) 150(-16.5,0.95) 151(-17.25,0.95) 153(-18.75,0.95) 154(-19.5,0.95) 156(-21,0.95) 157(-21.75,0.95) 159(-23.25,0.95) 160(-24,0.95) 162(-25.5,0.95) 163(-26.25,0.95)
  rect 0.48x1.575 smd paste-3.4: 165(-27.75,0.763) 166(-28.5,0.763) 167(-29.25,0.763) 168(-30,0.763) 169(-30.75,0.763)
  rect 0.48x1.325 smd far side paste-3.4: 171(-1.5,-0.887) 173(-12.75,-0.887) 178(-19.5,-0.887) 183(-26.25,-0.887) 184(-27.75,-0.887) 185(-28.5,-0.887) 204(21,-0.887) 218(9.75,-0.887)
  rect 0.48x1.7 smd far side paste-3.4: 172(-10.5,-0.7) 174(-14.25,-0.7) 175(-15,-0.7) 176(-16.5,-0.7) 177(-17.25,-0.7) 179(-21,-0.7) 180(-21.75,-0.7) 181(-23.25,-0.7) 182(-24,-0.7) 186(-3,-0.7) 187(-3.75,-0.7) 189(-5.25,-0.7) 190(-6,-0.7) 191(-7.5,-0.7) 192(-8.25,-0.7) 193(-9.75,-0.7) 194(0.75,-0.7) 195(1.5,-0.7) 196(12,-0.7) 197(12.75,-0.7) 198(14.25,-0.7) 199(15,-0.7) 200(16.5,-0.7) 201(17.25,-0.7) 202(18.75,-0.7) 203(19.5,-0.7) 205(23.25,-0.7) 206(24,-0.7) 207(25.5,-0.7) 208(26.25,-0.7) 209(27.75,-0.7) 210(28.5,-0.7) 211(3,-0.7) 212(3.75,-0.7) 214(5.25,-0.7) 215(6,-0.7) 216(7.5,-0.7) 217(8.25,-0.7)
  rect 0.48x2 smd far side paste-3.4: 188(-30,-0.55) 213(30,-0.55)
  rect 0.48x1.7 smd paste-3.4: 219(-0.75,-0.7) 220(-1.5,-0.7) 221(-10.5,-0.7) 222(-12,-0.7) 223(-12.75,-0.7) 224(-14.25,-0.7) 225(-15,-0.7) 226(-16.5,-0.7) 227(-17.25,-0.7) 228(-18.75,-0.7) 229(-19.5,-0.7) 230(-21,-0.7) 231(-21.75,-0.7) 232(-23.25,-0.7) 233(-24,-0.7) 234(-25.5,-0.7) 235(-26.25,-0.7) 239(-3,-0.7) 240(-3.75,-0.7) 243(-5.25,-0.7) 244(-6,-0.7) 245(-7.5,-0.7) 246(-8.25,-0.7) 247(-9.75,-0.7) 248(0.75,-0.7) 249(1.5,-0.7) 250(10.5,-0.7) 251(12,-0.7) 251(12.75,-0.7) 252(14.25,-0.7) 253(15,-0.7) 254(16.5,-0.7) 255(17.25,-0.7) 256(18.75,-0.7) 257(19.5,-0.7) 258(21,-0.7) 259(21.75,-0.7) 260(23.25,-0.7) 261(24,-0.7) 262(25.5,-0.7) 263(26.25,-0.7) 264(27.75,-0.7) 265(28.5,-0.7) 266(3,-0.7) 267(3.75,-0.7) 268(30,-0.7) 269(30.75,-0.7) 270(5.25,-0.7) 271(6,-0.7) 272(7.5,-0.7) 273(8.25,-0.7) 274(9.75,-0.7)
  rect 0.48x1.325 smd paste-3.4: 236(-27.75,-0.887) 237(-28.5,-0.887) 238(-29.25,-0.887) 241(-30,-0.887) 242(-30.75,-0.887)
BGA77C127P7X11_900X1500X512 [mm]
  round 0.6 smd paste+0 mask+0.01: A1(-3.81,6.35) A2(-2.54,6.35) A3(-1.27,6.35) A4(0,6.35) A5(1.27,6.35) A6(2.54,6.35) A7(3.81,6.35) B1(-3.81,5.08) B2(-2.54,5.08) B3(-1.27,5.08) B4(0,5.08) B5(1.27,5.08) B6(2.54,5.08) B7(3.81,5.08) C1(-3.81,3.81) C2(-2.54,3.81) C3(-1.27,3.81) C4(0,3.81) C5(1.27,3.81) C6(2.54,3.81) C7(3.81,3.81) D1(-3.81,2.54) D2(-2.54,2.54) D3(-1.27,2.54) D4(0,2.54) D5(1.27,2.54) D6(2.54,2.54) D7(3.81,2.54) E1(-3.81,1.27) E2(-2.54,1.27) E3(-1.27,1.27) E4(0,1.27) E5(1.27,1.27) E6(2.54,1.27) E7(3.81,1.27) F1(-3.81,0) F2(-2.54,0) F3(-1.27,0) F4(0,0) F5(1.27,0) F6(2.54,0) F7(3.81,0) G1(-3.81,-1.27) G2(-2.54,-1.27) G3(-1.27,-1.27) G4(0,-1.27) G5(1.27,-1.27) G6(2.54,-1.27) G7(3.81,-1.27) H1(-3.81,-2.54) H2(-2.541,-2.54) H3(-1.27,-2.54) H4(-0.001,-2.54) H5(1.27,-2.54) H6(2.54,-2.54) H7(3.81,-2.54) J1(-3.81,-3.81) J2(-2.54,-3.81) J3(-1.27,-3.81) J4(0,-3.81) J5(1.27,-3.81) J6(2.54,-3.81) J7(3.81,-3.81) K1(-3.81,-5.08) K2(-2.54,-5.08) K3(-1.27,-5.08) K4(0,-5.08) K5(1.27,-5.08) K6(2.54,-5.08) K7(3.81,-5.08) L1(-3.81,-6.35) L2(-2.54,-6.35) L3(-1.27,-6.35) L4(0,-6.35) L5(1.27,-6.35) L6(2.54,-6.35) L7(3.81,-6.35)
  silkscreen extent -5.33,-7.5 4.5,7.5, body extent -4.11,-6.65 4.11,6.65, height 5.12
BGA96C80P9X16_900X1400X120 [mm] "BGA 0.8mm, Pitch, Square 96 Pin, 9 Columns x 16 Rows, Body 14mm X 9mm X 1.2mm H"
  round 0.4 smd: A1(-3.2,6) A2(-2.4,6) A3(-1.6,6) A7(1.6,6) A8(2.4,6) A9(3.2,6) B1(-3.2,5.2) B2(-2.4,5.2) B3(-1.6,5.2) B7(1.6,5.2) B8(2.4,5.2) B9(3.2,5.2) C1(-3.2,4.4) C2(-2.4,4.4) C3(-1.6,4.4) C7(1.6,4.4) C8(2.4,4.4) C9(3.2,4.4) D1(-3.2,3.6) D2(-2.4,3.6) D3(-1.6,3.6) D7(1.6,3.6) D8(2.4,3.6) D9(3.2,3.6) E1(-3.2,2.8) E2(-2.4,2.8) E3(-1.6,2.8) E7(1.6,2.8) E8(2.4,2.8) E9(3.2,2.8) F1(-3.2,2) F2(-2.4,2) F3(-1.6,2) F7(1.6,2) F8(2.4,2) F9(3.2,2) G1(-3.2,1.2) G2(-2.4,1.2) G3(-1.6,1.2) G7(1.6,1.2) G8(2.4,1.2) G9(3.2,1.2) H1(-3.2,0.4) H2(-2.4,0.4) H3(-1.6,0.4) H7(1.6,0.4) H8(2.4,0.4) H9(3.2,0.4) J1(-3.2,-0.4) J2(-2.4,-0.4) J3(-1.6,-0.4) J7(1.6,-0.4) J8(2.4,-0.4) J9(3.2,-0.4) K1(-3.2,-1.2) K2(-2.4,-1.2) K3(-1.6,-1.2) K7(1.6,-1.2) K8(2.4,-1.2) K9(3.2,-1.2) L1(-3.2,-2) L2(-2.4,-2) L3(-1.6,-2) L7(1.6,-2) L8(2.4,-2) L9(3.2,-2) M1(-3.2,-2.8) M2(-2.4,-2.8) M3(-1.6,-2.8) M7(1.6,-2.8) M8(2.4,-2.8) M9(3.2,-2.8) N1(-3.2,-3.6) N2(-2.4,-3.6) N3(-1.6,-3.6) N7(1.6,-3.6) N8(2.4,-3.6) N9(3.2,-3.6) P1(-3.2,-4.4) P2(-2.4,-4.4) P3(-1.6,-4.4) P7(1.6,-4.4) P8(2.4,-4.4) P9(3.2,-4.4) R1(-3.2,-5.2) R2(-2.4,-5.2) R3(-1.6,-5.2) R7(1.6,-5.2) R8(2.4,-5.2) R9(3.2,-5.2) T1(-3.2,-6) T2(-2.4,-6) T3(-1.6,-6) T7(1.6,-6) T8(2.4,-6) T9(3.2,-6)
  silkscreen extent -5.22,-7 4.5,7, body extent -4.57,-7.07 4.58,7.08, height 1.2
BGA144C127P12X12_1600X1600X521 [mm] "BGA, 1.27mm Pitch, Square; 144 Pin, 12 Columns X 12 Rows,16.00mm X 16.00mm X 5.21mm H"
  round 0.6 smd: A1(-6.985,6.985) A2(-5.715,6.985) A3(-4.445,6.985) A4(-3.175,6.985) A5(-1.905,6.985) A6(-0.635,6.985) A7(0.635,6.985) A8(1.905,6.985) A9(3.175,6.985) A10(4.445,6.985) A11(5.715,6.985) A12(6.985,6.985) B1(-6.985,5.715) B2(-5.715,5.715) B3(-4.445,5.715) B4(-3.175,5.715) B5(-1.905,5.715) B6(-0.635,5.715) B7(0.635,5.715) B8(1.905,5.715) B9(3.175,5.715) B10(4.445,5.715) B11(5.715,5.715) B12(6.985,5.715) C1(-6.985,4.445) C2(-5.715,4.445) C3(-4.445,4.445) C4(-3.175,4.445) C5(-1.905,4.445) C6(-0.635,4.445) C7(0.635,4.445) C8(1.905,4.445) C9(3.175,4.445) C10(4.445,4.445) C11(5.715,4.445) C12(6.985,4.445) D1(-6.985,3.175) D2(-5.715,3.175) D3(-4.445,3.175) D4(-3.175,3.175) D5(-1.905,3.175) D6(-0.635,3.175) D7(0.635,3.175) D8(1.905,3.175) D9(3.175,3.175) D10(4.445,3.175) D11(5.715,3.175) D12(6.985,3.175) E1(-6.985,1.905) E2(-5.715,1.905) E3(-4.445,1.905) E4(-3.175,1.905) E5(-1.905,1.905) E6(-0.635,1.905) E7(0.635,1.905) E8(1.905,1.905) E9(3.175,1.905) E10(4.445,1.905) E11(5.715,1.905) E12(6.985,1.905) F1(-6.985,0.635) F2(-5.715,0.635) F3(-4.445,0.635) F4(-3.175,0.635) F5(-1.905,0.635) F6(-0.635,0.635) F7(0.635,0.635) F8(1.905,0.635) F9(3.175,0.635) F10(4.445,0.635) F11(5.715,0.635) F12(6.985,0.635) G1(-6.985,-0.635) G2(-5.715,-0.635) G3(-4.445,-0.635) G4(-3.175,-0.635) G5(-1.905,-0.635) G6(-0.635,-0.635) G7(0.635,-0.635) G8(1.905,-0.635) G9(3.175,-0.635) G10(4.445,-0.635) G11(5.715,-0.635) G12(6.985,-0.635) H1(-6.985,-1.905) H2(-5.715,-1.905) H3(-4.445,-1.905) H4(-3.175,-1.905) H5(-1.905,-1.905) H6(-0.635,-1.905) H7(0.635,-1.905) H8(1.905,-1.905) H9(3.175,-1.905) H10(4.445,-1.905) H11(5.715,-1.905) H12(6.985,-1.905) J1(-6.985,-3.175) J2(-5.715,-3.175) J3(-4.445,-3.175) J4(-3.175,-3.175) J5(-1.905,-3.175) J6(-0.635,-3.175) J7(0.635,-3.175) J8(1.905,-3.175) J9(3.175,-3.175) J10(4.445,-3.175) J11(5.715,-3.175) J12(6.985,-3.175) K1(-6.985,-4.445) K2(-5.715,-4.445) K3(-4.445,-4.445) K4(-3.175,-4.445) K5(-1.905,-4.445) K6(-0.635,-4.445) K7(0.635,-4.445) K8(1.905,-4.445) K9(3.175,-4.445) K10(4.445,-4.445) K11(5.715,-4.445) K12(6.985,-4.445) L1(-6.985,-5.715) L2(-5.715,-5.715) L3(-4.445,-5.715) L4(-3.175,-5.715) L5(-1.905,-5.715) L6(-0.635,-5.715) L7(0.635,-5.715) L8(1.905,-5.715) L9(3.175,-5.715) L10(4.445,-5.715) L11(5.715,-5.715) L12(6.985,-5.715) M1(-6.985,-6.985) M2(-5.715,-6.985) M3(-4.445,-6.985) M4(-3.175,-6.985) M5(-1.905,-6.985) M6(-0.635,-6.985) M7(0.635,-6.985) M8(1.905,-6.985) M9(3.175,-6.985) M10(4.445,-6.985) M11(5.715,-6.985) M12(6.985,-6.985)
  silkscreen extent -8.72,-8 8,8, body extent -8,-8 8,8, height 5.21